# KiCad board soldiercrab_panel.kicad_pcb (continued)
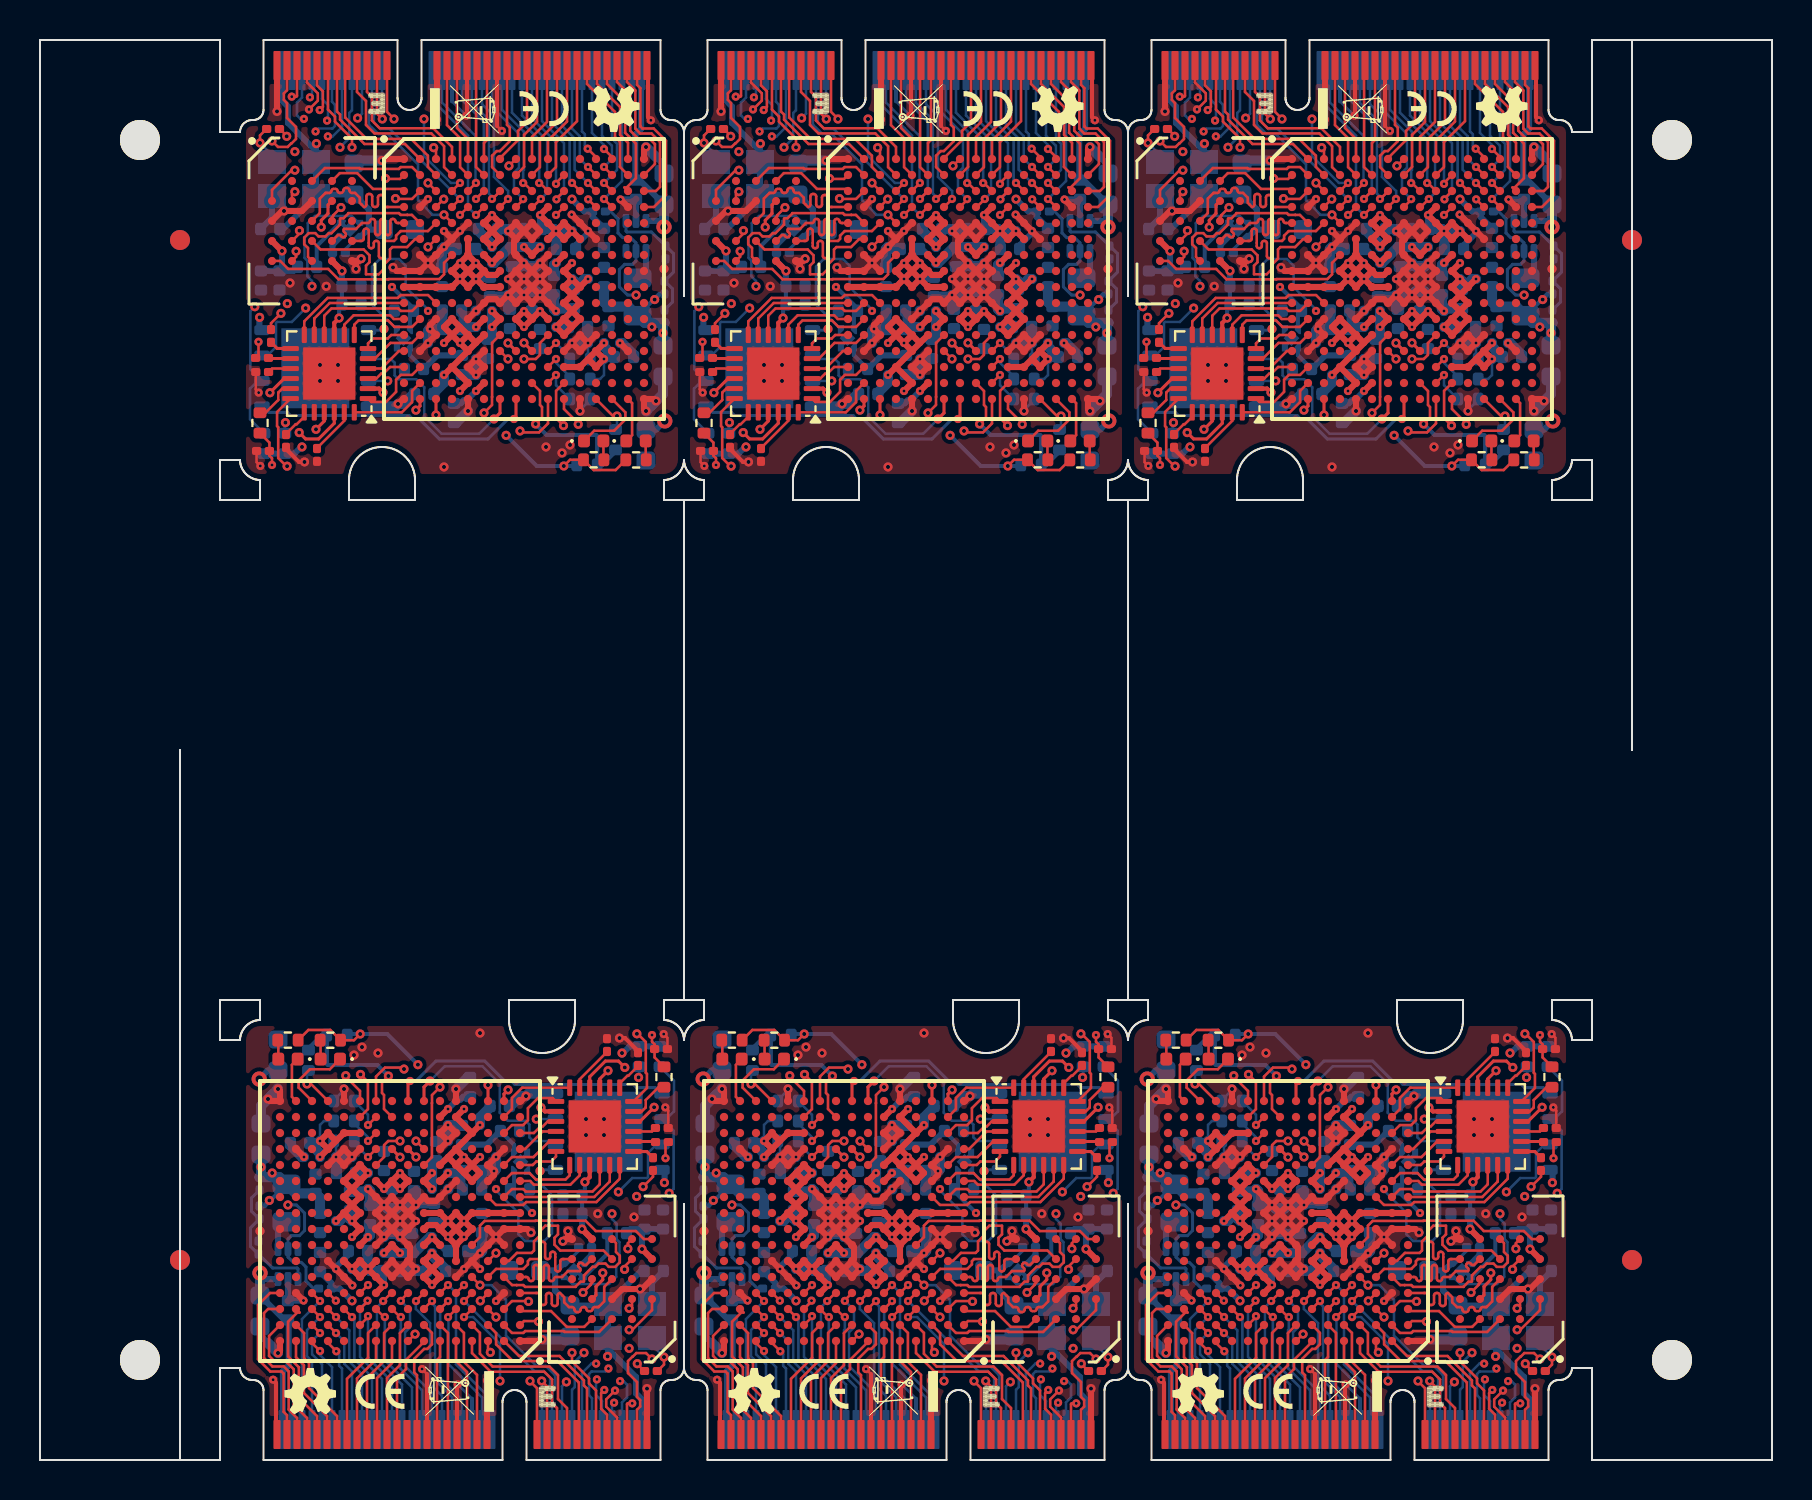
[diagram p0: board, top side]
## Placement (name value [footprint] x y rotation side) (continued)
R10#4  27R  [R_0201_0603Metric]  33.75 56.2 270 top
R10#5  27R  [R_0201_0603Metric]  30.65 14.8 90 top
R10#6  27R  [R_0201_0603Metric]  75.05 14.8 90 top
R11  330R  [R_0402_1005Metric]  34.6 20.99 0 top
R11#2  330R  [R_0402_1005Metric]  52 50.01 180 top
R11#3  330R  [R_0402_1005Metric]  56.8 20.99 0 top
R11#4  330R  [R_0402_1005Metric]  74.2 50.01 180 top
R11#5  330R  [R_0402_1005Metric]  29.8 50.01 180 top
R11#6  330R  [R_0402_1005Metric]  12.4 20.99 0 top
R12  330  [R_0402_1005Metric]  37.4 15.95 180 bottom
R12#2  330  [R_0402_1005Metric]  15.2 15.95 180 bottom
R12#3  330  [R_0402_1005Metric]  27 55.05 0 bottom
R12#4  330  [R_0402_1005Metric]  59.6 15.95 180 bottom
R12#5  330  [R_0402_1005Metric]  49.2 55.05 0 bottom
R12#6  330  [R_0402_1005Metric]  71.4 55.05 0 bottom
R13  5.1k  [R_0402_1005Metric]  71.4 54.05 0 bottom
R13#2  5.1k  [R_0402_1005Metric]  15.2 16.95 180 bottom
R13#3  5.1k  [R_0402_1005Metric]  27 54.05 0 bottom
R13#4  5.1k  [R_0402_1005Metric]  37.4 16.95 180 bottom
R13#5  5.1k  [R_0402_1005Metric]  59.6 16.95 180 bottom
R13#6  5.1k  [R_0402_1005Metric]  49.2 54.05 0 bottom
R14  330  [R_0402_1005Metric]  59.6 17.95 180 bottom
R14#2  330  [R_0402_1005Metric]  71.4 53.05 0 bottom
R14#3  330  [R_0402_1005Metric]  15.2 17.95 180 bottom
R14#4  330  [R_0402_1005Metric]  27 53.05 0 bottom
R14#5  330  [R_0402_1005Metric]  37.4 17.95 180 bottom
R14#6  330  [R_0402_1005Metric]  49.2 53.05 0 bottom
R15  330R  [R_0402_1005Metric]  27.68 50.01 180 top
R15#2  330R  [R_0402_1005Metric]  49.88 50.01 180 top
R15#3  330R  [R_0402_1005Metric]  36.72 20.99 0 top
R15#4  330R  [R_0402_1005Metric]  72.08 50.01 180 top
R15#5  330R  [R_0402_1005Metric]  58.92 20.99 0 top
R15#6  330R  [R_0402_1005Metric]  14.52 20.99 0 top
R16  0R  [R_0201_0603Metric]  59.35 60.35 0 bottom  (not fitted)
R16#2  0R  [R_0201_0603Metric]  27.26 10.65 180 bottom  (not fitted)
R16#3  0R  [R_0201_0603Metric]  49.46 10.65 180 bottom  (not fitted)
R16#4  0R  [R_0201_0603Metric]  37.15 60.35 0 bottom  (not fitted)
R16#5  0R  [R_0201_0603Metric]  14.95 60.35 0 bottom  (not fitted)
R16#6  0R  [R_0201_0603Metric]  71.66 10.65 180 bottom  (not fitted)
R108  330  [R_0201_0603Metric]  52.75 4.45 0 top
R108#2  330  [R_0201_0603Metric]  33.85 66.55 180 top
R108#3  330  [R_0201_0603Metric]  30.55 4.45 0 top
R108#4  330  [R_0201_0603Metric]  56.05 66.55 180 top
R108#5  330  [R_0201_0603Metric]  11.65 66.55 180 top
R108#6  330  [R_0201_0603Metric]  74.95 4.45 0 top
R109  5.1k  [R_0402_1005Metric]  55.6 50.83 90 bottom
R109#2  5.1k  [R_0402_1005Metric]  31 20.17 270 bottom
R109#3  5.1k  [R_0402_1005Metric]  53.2 20.17 270 bottom
R109#4  5.1k  [R_0402_1005Metric]  75.4 20.17 270 bottom
R109#5  5.1k  [R_0402_1005Metric]  11.2 50.83 90 bottom
R109#6  5.1k  [R_0402_1005Metric]  33.4 50.83 90 bottom
R110  10k  [R_0402_1005Metric]  52.16 20.17 270 bottom
R110#2  10k  [R_0402_1005Metric]  34.44 50.83 90 bottom
R110#3  10k  [R_0402_1005Metric]  29.96 20.17 270 bottom
R110#4  10k  [R_0402_1005Metric]  74.36 20.17 270 bottom
R110#5  10k  [R_0402_1005Metric]  56.64 50.83 90 bottom
R110#6  10k  [R_0402_1005Metric]  12.24 50.83 90 bottom
REF**  -  [WEEE-Logo_4.2x6mm_SilkScreen]  16.8 5.75 270 bottom
REF**#2  -  [WEEE-Logo_4.2x6mm_SilkScreen]  39 5.75 270 bottom
REF**#3  -  [WEEE-Logo_4.2x6mm_SilkScreen]  69.8 65.25 90 bottom
REF**#4  -  [WEEE-Logo_4.2x6mm_SilkScreen]  47.6 65.25 90 bottom
REF**#5  -  [WEEE-Logo_4.2x6mm_SilkScreen]  61.2 5.75 270 bottom
REF**#6  -  [WEEE-Logo_4.2x6mm_SilkScreen]  25.4 65.25 90 bottom
U1  TLV62569ADRLR  [SOT-563]  56.8 9.8 90 bottom
U1#2  TLV62569ADRLR  [SOT-563]  34.6 9.8 90 bottom
U1#3  TLV62569ADRLR  [SOT-563]  29.8 61.2 270 bottom
U1#4  TLV62569ADRLR  [SOT-563]  74.2 61.2 270 bottom
U1#5  TLV62569ADRLR  [SOT-563]  12.4 9.8 90 bottom
U1#6  TLV62569ADRLR  [SOT-563]  52 61.2 270 bottom
U2  NCP115-2.5  [Texas_X2SON-4_1x1mm_P0.65mm]  18.17 56.09 90 bottom
U2#2  NCP115-2.5  [Texas_X2SON-4_1x1mm_P0.65mm]  24.03 14.91 270 bottom
U2#3  NCP115-2.5  [Texas_X2SON-4_1x1mm_P0.65mm]  40.37 56.09 90 bottom
U2#4  NCP115-2.5  [Texas_X2SON-4_1x1mm_P0.65mm]  68.43 14.91 270 bottom
U2#5  NCP115-2.5  [Texas_X2SON-4_1x1mm_P0.65mm]  62.57 56.09 90 bottom
U2#6  NCP115-2.5  [Texas_X2SON-4_1x1mm_P0.65mm]  46.23 14.91 270 bottom
U3  USB3343  [QFN-24-1EP_4x4mm_P0.5mm_EP2.6x2.6mm]  36.66 54.32 180 top
U3#2  USB3343  [QFN-24-1EP_4x4mm_P0.5mm_EP2.6x2.6mm]  58.86 54.32 180 top
U3#3  USB3343  [QFN-24-1EP_4x4mm_P0.5mm_EP2.6x2.6mm]  49.94 16.68 0 top
U3#4  USB3343  [QFN-24-1EP_4x4mm_P0.5mm_EP2.6x2.6mm]  27.74 16.68 0 top
U3#5  USB3343  [QFN-24-1EP_4x4mm_P0.5mm_EP2.6x2.6mm]  14.46 54.32 180 top
U3#6  USB3343  [QFN-24-1EP_4x4mm_P0.5mm_EP2.6x2.6mm]  72.14 16.68 0 top
U4  NCP115-1.8  [Texas_X2SON-4_1x1mm_P0.65mm]  59.9 61.53 0 bottom
U4#2  NCP115-1.8  [Texas_X2SON-4_1x1mm_P0.65mm]  48.9 9.47 180 bottom
U4#3  NCP115-1.8  [Texas_X2SON-4_1x1mm_P0.65mm]  15.5 61.53 0 bottom
U4#4  NCP115-1.8  [Texas_X2SON-4_1x1mm_P0.65mm]  26.7 9.47 180 bottom
U4#5  NCP115-1.8  [Texas_X2SON-4_1x1mm_P0.65mm]  71.1 9.47 180 bottom
U4#6  NCP115-1.8  [Texas_X2SON-4_1x1mm_P0.65mm]  37.7 61.53 0 bottom
U7  W25Q128JVP  [WSON-8-1EP_6x5mm_P1.27mm_EP3.4x4mm]  13.76 54.59 180 bottom
U7#2  W25Q128JVP  [WSON-8-1EP_6x5mm_P1.27mm_EP3.4x4mm]  72.84 16.41 0 bottom
U7#3  W25Q128JVP  [WSON-8-1EP_6x5mm_P1.27mm_EP3.4x4mm]  35.96 54.59 180 bottom
U7#4  W25Q128JVP  [WSON-8-1EP_6x5mm_P1.27mm_EP3.4x4mm]  28.44 16.41 0 bottom
U7#5  W25Q128JVP  [WSON-8-1EP_6x5mm_P1.27mm_EP3.4x4mm]  58.16 54.59 180 bottom
U7#6  W25Q128JVP  [WSON-8-1EP_6x5mm_P1.27mm_EP3.4x4mm]  50.64 16.41 0 bottom
U10  PSRAM (oSPI /HyperRAM)  [BGA-24_5x5_6.0x8.0mm]  50.8 9.05 180 top
U10#2  PSRAM (oSPI /HyperRAM)  [BGA-24_5x5_6.0x8.0mm]  73 9.05 180 top
U10#3  PSRAM (oSPI /HyperRAM)  [BGA-24_5x5_6.0x8.0mm]  28.6 9.05 180 top
U10#4  PSRAM (oSPI /HyperRAM)  [BGA-24_5x5_6.0x8.0mm]  58 61.95 0 top
U10#5  PSRAM (oSPI /HyperRAM)  [BGA-24_5x5_6.0x8.0mm]  35.8 61.95 0 top
U10#6  PSRAM (oSPI /HyperRAM)  [BGA-24_5x5_6.0x8.0mm]  13.6 61.95 0 top
Y1  Osc48MHz  [Crystal_SMD_3225-4Pin_3.2x2.5mm]  34.9 64.05 180 bottom
Y1#2  Osc48MHz  [Crystal_SMD_3225-4Pin_3.2x2.5mm]  12.7 64.05 180 bottom
Y1#3  Osc48MHz  [Crystal_SMD_3225-4Pin_3.2x2.5mm]  51.7 6.95 0 bottom
Y1#4  Osc48MHz  [Crystal_SMD_3225-4Pin_3.2x2.5mm]  29.5 6.95 0 bottom
Y1#5  Osc48MHz  [Crystal_SMD_3225-4Pin_3.2x2.5mm]  73.9 6.95 0 bottom
Y1#6  Osc48MHz  [Crystal_SMD_3225-4Pin_3.2x2.5mm]  57.1 64.05 180 bottom

## Library data of the parts
C1 C1#2-C1#6 C2 C2#2-C2#6 C3 C3#2-C3#6 C4 C4#2-C4#6 C23 C23#2-C23#6 = -: Description: CAP CER 2.2UF 10V X5R 0603; Manufacturer: Samsung; Part Number: CL10A225KP8NNNC; Substitution: any equivalent; lcsc#: C23630
C5 C5#2-C5#6 C8 C8#2-C8#6 C13 C13#2-C13#6 C16 C16#2-C16#6 C17 C17#2-C17#6 C18 C18#2-C18#6 C19 C19#2-C19#6 C21 C21#2-C21#6 C22 C22#2-C22#6 C79 C79#2-C79#6 C80 C80#2-C80#6 C81 C81#2-C81#6 C82 C82#2-C82#6 C83 C83#2-C83#6 = -: Description: CAP CER 1UF 6.3V X5R 0402 20%; Manufacturer: Samsung; Part Number: CL05A105MQ5NNNC; Substitution: CL05A105KQ5NNNC, CL05A105KP5NNNC, CL05A105KO5NNNC; lcsc#: C52923
C6 C6#2-C6#6 C28 C28#2-C28#6 C29 C29#2-C29#6 = -: Mfg: Murata Electronics North America; Mfg_1: YAGEO; PN: GRM155R60J106ME15D; PN_1: CC0402MRX5R5BB106; lcsc#: C105884
C7 C7#2-C7#6 C9 C9#2-C9#6 C10 C10#2-C10#6 C11 C11#2-C11#6 C12 C12#2-C12#6 C14 C14#2-C14#6 C15 C15#2-C15#6 C24 C24#2-C24#6 C26 C26#2-C26#6 C31 C31#2-C31#6 C32 C32#2-C32#6 C33 C33#2-C33#6 C35 C35#2-C35#6 C65 C65#2-C65#6 = -: Description: CAP CER 0.1UF 25V X5R 0402; Manufacturer: Samsung; Part Number: CL05A104KA5NNNC; Substitution: any equivalent; lcsc#: C1525
C20 C20#2-C20#6 C27 C27#2-C27#6 = -: Info: 10V, X5R; Mfg: Murata Electronics North America; Mfg_1: YAGEO; PN: GRM155R61A475MEAAD; PN_1: CC0402KRX5R6BB475; lcsc#: C23733
C25 C25#2-C25#6 = -: Mfg: Samsung Electro-Mechanics; Mfg_1: YAGEO; PN: CL03C100JA3GNNC; PN_1: CC0201DRNPO8BN100; lcsc#: C526922
C34 C34#2-C34#6 C36 C36#2-C36#6 C37 C37#2-C37#6 = -: lcsc#: C87143
D1 D1#2-D1#6 D2 D2#2-D2#6 = -: Description: Light emitting diode, small symbol, filled shape; lcsc#: C965794
IC1 IC1#2-IC1#6 = -: Description: FPGA - Field Programmable Gate Array ECP5; 12k LUTs; 1.1V; Manufacturer: Lattice; Part Number: LFE5U-12F-6BG256C; Substitution: LFE5U-12F-*BG256*, LFE5U-25F-*BG256*; lcsc#: C1521614
L1 L1#2-L1#6 = -: Mfg: Murata Electronics; Mfg_1: Sunltech Tech; PN: LQM21PN2R2NGCD; PN_1: SLM20122R2MIT; lcsc#: C216156
R1 R1#2-R1#6 = -: Mfg: ‎Yageo‎; Mfg_1: UNI-ROYAL(Uniroyal Elec); PN: RC0201FR-0710KL; PN_1: 0201WMF1002TCE; lcsc#: C106225
R2 R2#2-R2#6 = -: Mfg: ‎Yageo‎; Mfg_1: UNI-ROYAL(Uniroyal Elec); PN: RC0201FR-07100KL; PN_1: 0201WMF1003TCE; lcsc#: C106224
R3 R3#2-R3#6 = -: Mfg: ‎Yageo‎; Mfg_1: UNI-ROYAL(Uniroyal Elec); PN: RC0201FR-07120KL; PN_1: 0201WMF1203TCE; lcsc#: C274344
R5 R5#2-R5#6 = -: Description: RES 2.2K OHM 5% 1/16W 0402; Manufacturer: Yageo; Part Number: RC0402JR-072K2L; Substitution: any equivalent; lcsc#: C25879
R6 R6#2-R6#6 R13 R13#2-R13#6 R109 R109#2-R109#6 = -: Description: RES 5.1K OHM 5% 1/16W 0402; Manufacturer: Yageo; Part Number: RC0402JR-075K1L; Substitution: any equivalent; lcsc#: C25905
R7 R7#2-R7#6 = -: Mfg: Yageo; lcsc#: C516470
R8 R8#2-R8#6 = -: Mfg: Yageo; lcsc#: C93942
R9 R9#2-R9#6 R10 R10#2-R10#6 = -: Mfg: Yageo; lcsc#: C270320
R11 R11#2-R11#6 R15 R15#2-R15#6 = -: lcsc#: C25104
R12 R12#2-R12#6 R14 R14#2-R14#6 = -: Description: RES 330 OHM 1% 1/16W 0402; Manufacturer: Yageo; Part Number: RC0402FR-13330RL; Substitution: any equivalent; lcsc#: C25104
R16 R16#2-R16#6 = -: Mfg: ‎Yageo‎; PN: RC0201FR-0710KL; Mfg_1: UNI-ROYAL(Uniroyal Elec); PN_1: 0201WMF1002TCE; lcsc#: C473473
R108 R108#2-R108#6 = -: Description: RES 330 OHM 1% 1/16W 0201; Substitution: any equivalent; lcsc#: C274872
R110 R110#2-R110#6 = -: Description: RES 10K OHM 5% 1/16W 0402; Manufacturer: Yageo; Part Number: RC0402JR-0710KL; Substitution: any equivalent; lcsc#: C25744
U1 U1#2-U1#6 = -: Datasheet: http://www.ti.com/lit/ds/symlink/tlv62569.pdf; Mfg: Texas Instruments; PN: TLV62569DRLR; lcsc#: C398367
U2 U2#2-U2#6 = -: Mfg: ON Semiconductor; PN: NCP115AMX250TCG; lcsc#: C892044; LCSC: C892044
U3 U3#2-U3#6 = -: Datasheet: http://ww1.microchip.com/downloads/en/DeviceDoc/334x.pdf; Mfg: Microchip Technology; PN: USB3343-CP; lcsc#: C633347
U4 U4#2-U4#6 = -: PN: NCP115AMX180TCG; lcsc#: C603501
U7 U7#2-U7#6 = -: Manufacturer: Winbond; Part Number: W25Q128JVPIQ; lcsc#: C190862
U10 U10#2-U10#6 = -: lcsc#: C5448342
Y1 Y1#2-Y1#6 = -: Description: MEMS OSC XO 60.0000MHZ H/LV-CMOS; Manufacturer: SiTIME; Part Number: SIT1602BC-23-33E-60.000000E; Substitution: SIT1602B*-2*-33E-60.000000*, SIT1602B*-2*-33N-60.000000*; lcsc#: C669070

## Footprints (pads in the part's own frame, mm; a bottom-side part is the same pattern mirrored in y, then rotated)
BGA-24_5x5_6.0x8.0mm
  round 0.4 smd: A2(-1,2) A3(0,2) A4(1,2) A5(2,2) B1(-2,1) B2(-1,1) B3(0,1) B4(1,1) B5(2,1) C1(-2,0) C2(-1,0) C3(0,0) C4(1,0) C5(2,0) D1(-2,-1) D2(-1,-1) D3(0,-1) D4(1,-1) D5(2,-1) E1(-2,-2) E2(-1,-2) E3(0,-2) E4(1,-2) E5(2,-2)
C_0201_0603Metric
  rrect 0.318x0.36 smd: (-0.345,0) (0.345,0)
  rrect 0.46x0.4 smd: 1(-0.32,0) 2(0.32,0)
C_0402_1005Metric
  rrect 0.56x0.62 smd: 1(-0.48,0) 2(0.48,0)
C_0603_1608Metric
  rrect 0.9x0.95 smd: 1(-0.775,0) 2(0.775,0)
Crystal_SMD_3225-4Pin_3.2x2.5mm
  rect 1.4x1.2 smd: 1(-1.1,-0.85) 2(1.1,-0.85) 3(1.1,0.85) 4(-1.1,0.85)
Fiducial
  round 1 smd: (0,0)
L_0805_2012Metric
  rrect 0.975x1.4 smd: 1(-0.938,0) 2(0.938,0)
lattice_cabga256
  round 0.41 smd: A1(-6,6) A2(-5.2,6) A3(-4.4,6) A4(-3.6,6) A5(-2.8,6) A6(-2,6) A7(-1.2,6) A8(-0.4,6) A9(0.4,6) A10(1.2,6) A11(2,6) A12(2.8,6) A13(3.6,6) A14(4.4,6) A15(5.2,6) A16(6,6) B1(-6,5.2) B2(-5.2,5.2) B3(-4.4,5.2) B4(-3.6,5.2) B5(-2.8,5.2) B6(-2,5.2) B7(-1.2,5.2) B8(-0.4,5.2) B9(0.4,5.2) B10(1.2,5.2) B11(2,5.2) B12(2.8,5.2) B13(3.6,5.2) B14(4.4,5.2) B15(5.2,5.2) B16(6,5.2) C1(-6,4.4) C2(-5.2,4.4) C3(-4.4,4.4) C4(-3.6,4.4) C5(-2.8,4.4) C6(-2,4.4) C7(-1.2,4.4) C8(-0.4,4.4) C9(0.4,4.4) C10(1.2,4.4) C11(2,4.4) C12(2.8,4.4) C13(3.6,4.4) C14(4.4,4.4) C15(5.2,4.4) C16(6,4.4) D1(-6,3.6) D2(-5.2,3.6) D3(-4.4,3.6) D4(-3.6,3.6) D5(-2.8,3.6) D6(-2,3.6) D7(-1.2,3.6) D8(-0.4,3.6) D9(0.4,3.6) D10(1.2,3.6) D11(2,3.6) D12(2.8,3.6) D13(3.6,3.6) D14(4.4,3.6) D15(5.2,3.6) D16(6,3.6) E1(-6,2.8) E2(-5.2,2.8) E3(-4.4,2.8) E4(-3.6,2.8) E5(-2.8,2.8) E6(-2,2.8) E7(-1.2,2.8) E8(-0.4,2.8) E9(0.4,2.8) E10(1.2,2.8) E11(2,2.8) E12(2.8,2.8) E13(3.6,2.8) E14(4.4,2.8) E15(5.2,2.8) E16(6,2.8) F1(-6,2) F2(-5.2,2) F3(-4.4,2) F4(-3.6,2) F5(-2.8,2) F6(-2,2) F7(-1.2,2) F8(-0.4,2) F9(0.4,2) F10(1.2,2) F11(2,2) F12(2.8,2) F13(3.6,2) F14(4.4,2) F15(5.2,2) F16(6,2) G1(-6,1.2) G2(-5.2,1.2) G3(-4.4,1.2) G4(-3.6,1.2) G5(-2.8,1.2) G6(-2,1.2) G7(-1.2,1.2) G8(-0.4,1.2) G9(0.4,1.2) G10(1.2,1.2) G11(2,1.2) G12(2.8,1.2) G13(3.6,1.2) G14(4.4,1.2) G15(5.2,1.2) G16(6,1.2) H1(-6,0.4) H2(-5.2,0.4) H3(-4.4,0.4) H4(-3.6,0.4) H5(-2.8,0.4) H6(-2,0.4) H7(-1.2,0.4) H8(-0.4,0.4) H9(0.4,0.4) H10(1.2,0.4) H11(2,0.4) H12(2.8,0.4) H13(3.6,0.4) H14(4.4,0.4) H15(5.2,0.4) H16(6,0.4) J1(-6,-0.4) J2(-5.2,-0.4) J3(-4.4,-0.4) J4(-3.6,-0.4) J5(-2.8,-0.4) J6(-2,-0.4) J7(-1.2,-0.4) J8(-0.4,-0.4) J9(0.4,-0.4) J10(1.2,-0.4) J11(2,-0.4) J12(2.8,-0.4) J13(3.6,-0.4) J14(4.4,-0.4) J15(5.2,-0.4) J16(6,-0.4) K1(-6,-1.2) K2(-5.2,-1.2) K3(-4.4,-1.2) K4(-3.6,-1.2) K5(-2.8,-1.2) K6(-2,-1.2) K7(-1.2,-1.2) K8(-0.4,-1.2) K9(0.4,-1.2) K10(1.2,-1.2) K11(2,-1.2) K12(2.8,-1.2) K13(3.6,-1.2) K14(4.4,-1.2) K15(5.2,-1.2) K16(6,-1.2) L1(-6,-2) L2(-5.2,-2) L3(-4.4,-2) L4(-3.6,-2) L5(-2.8,-2) L6(-2,-2) L7(-1.2,-2) L8(-0.4,-2) L9(0.4,-2) L10(1.2,-2) L11(2,-2) L12(2.8,-2) L13(3.6,-2) L14(4.4,-2) L15(5.2,-2) L16(6,-2) M1(-6,-2.8) M2(-5.2,-2.8) M3(-4.4,-2.8) M4(-3.6,-2.8) M5(-2.8,-2.8) M6(-2,-2.8) M7(-1.2,-2.8) M8(-0.4,-2.8) M9(0.4,-2.8) M10(1.2,-2.8) M11(2,-2.8) M12(2.8,-2.8) M13(3.6,-2.8) M14(4.4,-2.8) M15(5.2,-2.8) M16(6,-2.8) N1(-6,-3.6) N2(-5.2,-3.6) N3(-4.4,-3.6) N4(-3.6,-3.6) N5(-2.8,-3.6) N6(-2,-3.6) N7(-1.2,-3.6) N8(-0.4,-3.6) N9(0.4,-3.6) N10(1.2,-3.6) N11(2,-3.6) N12(2.8,-3.6) N13(3.6,-3.6) N14(4.4,-3.6) N15(5.2,-3.6) N16(6,-3.6) P1(-6,-4.4) P2(-5.2,-4.4) P3(-4.4,-4.4) P4(-3.6,-4.4) P5(-2.8,-4.4) P6(-2,-4.4) P7(-1.2,-4.4) P8(-0.4,-4.4) P9(0.4,-4.4) P10(1.2,-4.4) P11(2,-4.4) P12(2.8,-4.4) P13(3.6,-4.4) P14(4.4,-4.4) P15(5.2,-4.4) P16(6,-4.4) R1(-6,-5.2) R2(-5.2,-5.2) R3(-4.4,-5.2) R4(-3.6,-5.2) R5(-2.8,-5.2) R6(-2,-5.2) R7(-1.2,-5.2) R8(-0.4,-5.2) R9(0.4,-5.2) R10(1.2,-5.2) R11(2,-5.2) R12(2.8,-5.2) R13(3.6,-5.2) R14(4.4,-5.2) R15(5.2,-5.2) R16(6,-5.2) T1(-6,-6) T2(-5.2,-6) T3(-4.4,-6) T4(-3.6,-6) T5(-2.8,-6) T6(-2,-6) T7(-1.2,-6) T8(-0.4,-6) T9(0.4,-6) T10(1.2,-6) T11(2,-6) T12(2.8,-6) T13(3.6,-6) T14(4.4,-6) T15(5.2,-6) T16(6,-6)
LED_0402_1005Metric
  rrect 0.59x0.64 smd: 1(-0.485,0) 2(0.485,0)
M.2-CARD-E-22
  rrect 0.35x1.45 smd: 1(9.25,1.275) 3(8.75,1.275) 5(8.25,1.275) 7(7.75,1.275) 9(7.25,1.275) 11(6.75,1.275) 13(6.25,1.275) 15(5.75,1.275) 17(5.25,1.275) 19(4.75,1.275) 21(4.25,1.275) 23(3.75,1.275) 33(1.25,1.275) 35(0.75,1.275) 37(0.25,1.275) 39(-0.25,1.275) 41(-0.75,1.275) 43(-1.25,1.275) 45(-1.75,1.275) 47(-2.25,1.275) 49(-2.75,1.275) 51(-3.25,1.275) 53(-3.75,1.275) 55(-4.25,1.275) 57(-4.75,1.275) 59(-5.25,1.275) 61(-5.75,1.275) 63(-6.25,1.275) 65(-6.75,1.275) 67(-7.25,1.275) 69(-7.75,1.275) 71(-8.25,1.275) 73(-8.75,1.275) 75(-9.25,1.275)
  rrect 0.35x1.95 smd far side: 2(9,1.525) 4(8.5,1.525) 6(8,1.525) 8(7.5,1.525) 10(7,1.525) 12(6.5,1.525) 14(6,1.525) 16(5.5,1.525) 18(5,1.525) 20(4.5,1.525) 22(4,1.525) 32(1.5,1.525) 34(1,1.525) 36(0.5,1.525) 38(0,1.525) 40(-0.5,1.525) 42(-1,1.525) 44(-1.5,1.525) 46(-2,1.525) 48(-2.5,1.525) 50(-3,1.525) 52(-3.5,1.525) 54(-4,1.525) 56(-4.5,1.525) 58(-5,1.525) 60(-5.5,1.525) 62(-6,1.525) 64(-6.5,1.525) 66(-7,1.525) 68(-7.5,1.525) 70(-8,1.525) 72(-8.5,1.525) 74(-9,1.525)
NPTH
  round 2 hole 2 unplated: (0,0)
QFN-24-1EP_4x4mm_P0.5mm_EP2.6x2.6mm
  rrect 1.05x1.05 smd: (-0.65,0.65) (-0.65,-0.65) (0.65,0.65) (0.65,-0.65)
  rrect 0.825x0.25 smd: 1(-1.938,1.25) 2(-1.938,0.75) 3(-1.938,0.25) 4(-1.938,-0.25) 5(-1.938,-0.75) 6(-1.938,-1.25) 13(1.938,-1.25) 14(1.938,-0.75) 15(1.938,-0.25) 16(1.938,0.25) 17(1.938,0.75) 18(1.938,1.25)
  rrect 0.25x0.825 smd: 7(-1.25,-1.938) 8(-0.75,-1.938) 9(-0.25,-1.938) 10(0.25,-1.938) 11(0.75,-1.938) 12(1.25,-1.938) 19(1.25,1.938) 20(0.75,1.938) 21(0.25,1.938) 22(-0.25,1.938) 23(-0.75,1.938) 24(-1.25,1.938)
  rect 2.6x2.6 smd: 25(0,0)
R_0201_0603Metric
  rrect 0.318x0.36 smd: (-0.345,0) (0.345,0)
  rrect 0.46x0.4 smd: 1(-0.32,0) 2(0.32,0)
R_0402_1005Metric
  rrect 0.54x0.64 smd: 1(-0.51,0) 2(0.51,0)
SOT-563
  rrect 0.7x0.34 smd: 1(-0.75,0.5) 2(-0.75,0) 3(-0.75,-0.5) 4(0.75,-0.5) 5(0.75,0) 6(0.75,0.5)
Texas_X2SON-4_1x1mm_P0.65mm
  custom 0.36x0.21 smd: (-0.43,-0.325) (-0.43,0.325) (0.43,-0.325) (0.43,0.325)
  custom 0.4x0.21 smd: (-0.43,-0.325) (-0.43,0.325) (0.43,-0.325) (0.43,0.325)
  custom 0.46x0.31 smd: 1(-0.43,0.325) 2(-0.43,-0.325) 3(0.43,-0.325) 4(0.43,0.325)
  rect 0.56x0.56 smd rot 135: 2(0,0)
WSON-8-1EP_6x5mm_P1.27mm_EP3.4x4mm
  rrect 1.37x1.61 smd: (-0.85,-1) (-0.85,1) (0.85,-1) (0.85,1)
  rrect 0.775x0.5 smd: 1(-2.663,1.905) 2(-2.663,0.635) 3(-2.663,-0.635) 4(-2.663,-1.905) 5(2.663,-1.905) 6(2.663,-0.635) 7(2.663,0.635) 8(2.663,1.905)
  rect 3.4x4 smd: 9(0,0)

## Nets
Board_0-+1V1: C1#4.1 C3#3.1 C7#3.1 C9#4.1 C11#6.1 C13#3.1 C15#2.1 C17#4.1 C25#4.2 C28#4.2 C29#2.2 IC1#4.G6 IC1#4.G7 IC1#4.G9 IC1#4.L8 IC1#4.L9 IC1#4.L10 L1.2 R2#3.2
Board_0-+2V5: C22#3.1 C24#2.1 C26#5.1 C27#3.1 IC1#4.G11 IC1#4.L7 U2.1
Board_0-+3V3: C2#6.1 C4#4.1 C6#2.2 C8#6.1 C10#3.1 C12#6.1 C14#4.1 C16#4.1 C18#2.1 C20#4.1 C23#2.1 C33#3.1 C35#6.1 C79#3.1 C80#3.1 C81#4.1 IC1#4.D10 IC1#4.E6 IC1#4.E7 IC1#4.E10 IC1#4.E11 IC1#4.F6 IC1#4.F7 IC1#4.F10 IC1#4.F11 IC1#4.F12 IC1#4.H11 IC1#4.J11 IC1#4.J12 IC1#4.K11 IC1#4.K12 IC1#4.L6 IC1#4.L11 IC1#4.L12 IC1#4.M11 IC1#4.N13 IC1#4.P11 IC1#4.P12 IC1#4.P13 IC1#4.R6 J1#3.2 J1#3.74 R1#5.2 R6#4.1 R11#5.2 R13#3.2 R15.2 R16#5.2 R109#5.1 R110#6.1 U1#3.3 U2.4 U3#5.16 U4#3.4 U7.8 Y1#2.1 Y1#2.4
Board_0-/bank0_1/CLOCK_48MHZ: IC1#4.A8 R108#5.1
Board_0-/bank2_3/~{FPGA_SELF_PROGRAM}: IC1#4.T13 R5#6.2
Board_0-/bank6_7/RAM.CK: IC1#4.C3 U10#6.B2
Board_0-/bank6_7/RAM.DQ0: IC1#4.F2 U10#6.D3
Board_0-/bank6_7/RAM.DQ1: IC1#4.B1 U10#6.D2
Board_0-/bank6_7/RAM.DQ2: IC1#4.C2 U10#6.C4
Board_0-/bank6_7/RAM.DQ3: IC1#4.E1 U10#6.D4
Board_0-/bank6_7/RAM.DQ4: IC1#4.E3 U10#6.D5
Board_0-/bank6_7/RAM.DQ5: IC1#4.E2 U10#6.E3
Board_0-/bank6_7/RAM.DQ6: IC1#4.F3 U10#6.E2
Board_0-/bank6_7/RAM.DQ7: IC1#4.G4 U10#6.E1
Board_0-/bank6_7/RAM.RWDS: IC1#4.D1 U10#6.C3
Board_0-/bank6_7/RAM.~{CK}: IC1#4.D3 U10#6.B1
Board_0-/bank6_7/RAM.~{CS}: IC1#4.B2 U10#6.A3
Board_0-/bank6_7/RAM.~{RESET}: IC1#4.C1 U10#6.A4
Board_0-/bank6_7/USB0.DATA0: IC1#4.N1 U3#5.4
Board_0-/bank6_7/USB0.DATA1: IC1#4.M2 U3#5.5
Board_0-/bank6_7/USB0.DATA2: IC1#4.M1 U3#5.6
Board_0-/bank6_7/USB0.DATA3: IC1#4.L2 U3#5.7
Board_0-/bank6_7/USB0.DATA4: IC1#4.L1 U3#5.8
Board_0-/bank6_7/USB0.DATA5: IC1#4.K2 U3#5.10
Board_0-/bank6_7/USB0.DATA6: IC1#4.K1 U3#5.11
Board_0-/bank6_7/USB0.DATA7: IC1#4.K3 U3#5.12
Board_0-/bank6_7/USB0.DIR: IC1#4.P2 U3#5.1
Board_0-/bank6_7/USB0.NXT: IC1#4.P1 U3#5.3
Board_0-/bank6_7/USB0.REFCLK: IC1#4.T3 U3#5.21
Board_0-/bank6_7/USB0.STP: IC1#4.R2 U3#5.24
Board_0-/bank6_7/USB0.~{RESET}: IC1#4.T2 U3#5.22
Board_0-/bank8_configuration/D0: IC1#4.T8 U7.5
Board_0-/bank8_configuration/D1: IC1#4.T7 U7.2
Board_0-/bank8_configuration/D2: IC1#4.M7 U7.3
Board_0-/bank8_configuration/D3: IC1#4.N7 U7.7
Board_0-/bank8_configuration/FPGA_CFG0: IC1#4.N10 R12#3.1
Board_0-/bank8_configuration/FPGA_CFG1: IC1#4.P10 R13#3.1
Board_0-/bank8_configuration/FPGA_CFG2: IC1#4.R10 R14#4.1
Board_0-/bank8_configuration/FPGA_CONFIG.~{PROGRAM}: IC1#4.R9 R5#6.1 R6#4.2
Board_0-/bank8_configuration/FPGA_FLASH_CLK: IC1#4.N9 R109#5.2 U7.6
Board_0-/bank8_configuration/~{CS_DI}: IC1#4.N8 R110#6.2 U7.1
Board_0-/usb/ULPI_1V8: C34.1 U3#5.23
Board_0-/usb/ULPI_3V3: C36#4.1 U3#5.15
Board_0-ECP5_A2: IC1#4.A2 J1#3.13
Board_0-ECP5_A3: IC1#4.A3 J1#3.11
Board_0-ECP5_A4: IC1#4.A4 J1#3.19
Board_0-ECP5_A5: IC1#4.A5 J1#3.37
Board_0-ECP5_A6: IC1#4.A6 J1#3.43
Board_0-ECP5_A7: IC1#4.A7 J1#3.51
Board_0-ECP5_A9: IC1#4.A9 J1#3.55
Board_0-ECP5_A10: IC1#4.A10 J1#3.59
Board_0-ECP5_A11: IC1#4.A11
Board_0-ECP5_A12: IC1#4.A12
Board_0-ECP5_A13: IC1#4.A13 J1#3.62
Board_0-ECP5_A14: IC1#4.A14 J1#3.64
Board_0-ECP5_A15: IC1#4.A15 J1#3.65
Board_0-ECP5_B3: IC1#4.B3 J1#3.15
Board_0-ECP5_B4: IC1#4.B4 J1#3.17
Board_0-ECP5_B5: IC1#4.B5 J1#3.35
Board_0-ECP5_B6: IC1#4.B6 J1#3.41
Board_0-ECP5_B7: IC1#4.B7 J1#3.47
Board_0-ECP5_B8: IC1#4.B8 J1#3.53
Board_0-ECP5_B9: IC1#4.B9 J1#3.57
Board_0-ECP5_B10: IC1#4.B10 J1#3.61
Board_0-ECP5_B11: IC1#4.B11 J1#3.52
Board_0-ECP5_B12: IC1#4.B12
Board_0-ECP5_B13: IC1#4.B13 J1#3.60
Board_0-ECP5_B14: IC1#4.B14 J1#3.66
Board_0-ECP5_B15: IC1#4.B15 J1#3.63
Board_0-ECP5_B16: IC1#4.B16 J1#3.69
Board_0-ECP5_C4: IC1#4.C4 J1#3.6
Board_0-ECP5_C5: IC1#4.C5 J1#3.34
Board_0-ECP5_C6: IC1#4.C6 J1#3.38
Board_0-ECP5_C7: IC1#4.C7 J1#3.40
Board_0-ECP5_C8: IC1#4.C8
Board_0-ECP5_C9: IC1#4.C9 J1#3.46
Board_0-ECP5_C10: IC1#4.C10 J1#3.48
Board_0-ECP5_C11: IC1#4.C11 J1#3.54
Board_0-ECP5_C12: IC1#4.C12 J1#3.56
Board_0-ECP5_C13: IC1#4.C13 J1#3.58
Board_0-ECP5_C14: IC1#4.C14 J1#3.68
Board_0-ECP5_C15: IC1#4.C15 J1#3.67
Board_0-ECP5_C16: IC1#4.C16 J1#3.71
Board_0-ECP5_D4: IC1#4.D4 J1#3.22
Board_0-ECP5_D5: IC1#4.D5 J1#3.8
Board_0-ECP5_D6: IC1#4.D6 J1#3.32
Board_0-ECP5_D7: IC1#4.D7 J1#3.42
Board_0-ECP5_D8: IC1#4.D8 J1#3.44
Board_0-ECP5_D9: IC1#4.D9 J1#3.50
Board_0-ECP5_D11: IC1#4.D11 J1#3.12
Board_0-ECP5_D12: IC1#4.D12
Board_0-ECP5_D13: IC1#4.D13 J1#3.14
Board_0-ECP5_D14: IC1#4.D14 J1#3.70
Board_0-ECP5_D16: IC1#4.D16 J1#3.73
Board_0-ECP5_E4: IC1#4.E4 J1#3.20
Board_0-ECP5_E13: IC1#4.E13
Board_0-ECP5_M10_TDO: IC1#4.M10 J1#3.23
Board_0-ECP5_R11_TDI: IC1#4.R11 J1#3.18
Board_0-ECP5_T10_TCK: IC1#4.T10 J1#3.10
Board_0-ECP5_T11_TMS: IC1#4.T11 J1#3.21
Board_0-EN: R1#5.1 U1#3.5 U2.3 U4#3.3
Board_0-GND: C1#4.2 C2#6.2 C3#3.2 C4#4.2 C5.2 C6#2.1 C7#3.2 C8#6.2 C9#4.2 C10#3.2 C11#6.2 C12#6.2 C13#3.2 C14#4.2 C15#2.2 C16#4.2 C17#4.2 C18#2.2 C19#5.2 C20#4.2 C21#3.2 C22#3.2 C23#2.2 C24#2.2 C26#5.2 C27#3.2 C28#4.1 C29#2.1 C31#3.2 C32#6.2 C33#3.2 C34.2 C35#6.2 C36#4.2 C37#2.2 C65#6.2 C79#3.2 C80#3.2 C81#4.2 C82.2 C83#6.2 IC1#4.A1 IC1#4.A16 IC1#4.D2 IC1#4.D15 IC1#4.E5 IC1#4.E8 IC1#4.E9 IC1#4.E12 IC1#4.F4 IC1#4.F8 IC1#4.F9 IC1#4.F13 IC1#4.G2 IC1#4.G3 IC1#4.G8 IC1#4.G10 IC1#4.H1 IC1#4.H2 IC1#4.H3 IC1#4.H8 IC1#4.H9 IC1#4.H10 IC1#4.H16 IC1#4.J8 IC1#4.J9 IC1#4.J10 IC1#4.K6 IC1#4.K7 IC1#4.K8 IC1#4.K9 IC1#4.K10 IC1#4.L3 IC1#4.L5 IC1#4.M3 IC1#4.M12 IC1#4.M13 IC1#4.N2 IC1#4.N6 IC1#4.N11 IC1#4.N12 IC1#4.N15 IC1#4.P5 IC1#4.P6 IC1#4.T1 IC1#4.T5 IC1#4.T12 IC1#4.T16 J1#3.1 J1#3.7 J1#3.33 J1#3.36 J1#3.39 J1#3.45 J1#3.75 R3#6.2 R7#4.1 R12#3.2 R14#4.2 U1#3.2 U2.2 U3#5.25 U4#3.2 U7.4 U7.9 U10#6.B3 U10#6.C1 U10#6.E5 Y1#2.2
Board_0-Net-(D1-A): D1#2.2 R11#5.1
Board_0-Net-(D1-K): D1#2.1 IC1#4.T15
Board_0-Net-(D2-A): D2#2.2 R15.1
Board_0-Net-(D2-K): D2#2.1 IC1#4.T14
Board_0-Net-(U1-FB): C25#4.1 R2#3.1 R3#6.1 U1#3.1
Board_0-Net-(U1-SW): L1.1 U1#3.4
Board_0-Net-(U3-DM): R9#6.2 U3#5.14
Board_0-Net-(U3-DP): R10#3.2 U3#5.13
Board_0-Net-(U3-RBIAS): R7#4.2 U3#5.19
Board_0-Net-(U3-VBUS): R8#4.1 U3#5.17
Board_0-Net-(Y1-OUT): R108#5.2 Y1#2.3
Board_0-unconnected-(IC1D-PR5C-PadE14): IC1#4.E14
Board_0-unconnected-(IC1D-PR5D-PadF14): IC1#4.F14
Board_0-unconnected-(IC1D-PR8B-PadE15): IC1#4.E15
Board_0-unconnected-(IC1D-PR11A-PadG12): IC1#4.G12
Board_0-unconnected-(IC1D-PR11B-PadG13): IC1#4.G13
Board_0-unconnected-(IC1D-PR11C-PadF15): IC1#4.F15
Board_0-unconnected-(IC1D-PR11D-PadE16): IC1#4.E16
Board_0-unconnected-(IC1D-PR14A-PadF16): IC1#4.F16
Board_0-unconnected-(IC1D-PR14B-PadG15): IC1#4.G15
Board_0-unconnected-(IC1D-PR14C-PadG14): IC1#4.G14
Board_0-unconnected-(IC1D-PR14D-PadH14): IC1#4.H14
Board_0-unconnected-(IC1D-PR17A-PadH12): IC1#4.H12
Board_0-unconnected-(IC1D-PR17B-PadH13): IC1#4.H13
Board_0-unconnected-(IC1D-PR17C-PadJ13): IC1#4.J13
Board_0-unconnected-(IC1D-PR20A-PadG16): IC1#4.G16
Board_0-unconnected-(IC1D-PR20B-PadH15): IC1#4.H15
Board_0-unconnected-(IC1D-PR20C-PadJ14): IC1#4.J14
Board_0-unconnected-(IC1D-PR20D-PadK14): IC1#4.K14
Board_0-unconnected-(IC1D-PR23A-PadJ16): IC1#4.J16
Board_0-unconnected-(IC1D-PR23B-PadJ15): IC1#4.J15
Board_0-unconnected-(IC1D-PR23C-PadK16): IC1#4.K16
Board_0-unconnected-(IC1D-PR23D-PadK15): IC1#4.K15
Board_0-unconnected-(IC1E-PR26A-PadL16): IC1#4.L16
Board_0-unconnected-(IC1E-PR26B-PadL15): IC1#4.L15
Board_0-unconnected-(IC1E-PR26C-PadM16): IC1#4.M16
Board_0-unconnected-(IC1E-PR26D-PadM15): IC1#4.M15
Board_0-unconnected-(IC1E-PR29A-PadK13): IC1#4.K13
Board_0-unconnected-(IC1E-PR29C-PadL13): IC1#4.L13
Board_0-unconnected-(IC1E-PR32A-PadN16): IC1#4.N16
Board_0-unconnected-(IC1E-PR32B-PadP15): IC1#4.P15
Board_0-unconnected-(IC1E-PR32C-PadL14): IC1#4.L14
Board_0-unconnected-(IC1E-PR32D-PadM14): IC1#4.M14
Board_0-unconnected-(IC1E-PR35A-PadP16): IC1#4.P16
Board_0-unconnected-(IC1E-PR35B-PadR16): IC1#4.R16
Board_0-unconnected-(IC1E-PR35D-PadN14): IC1#4.N14
Board_0-unconnected-(IC1E-PR38B-PadP14): IC1#4.P14
Board_0-unconnected-(IC1E-PR38C-PadR15): IC1#4.R15
Board_0-unconnected-(IC1E-PR41B-PadR14): IC1#4.R14
Board_0-unconnected-(IC1E-PR41C-PadR13): IC1#4.R13
Board_0-unconnected-(IC1E-PR44A-PadR12): IC1#4.R12
Board_0-unconnected-(IC1F-PL29A-PadK4): IC1#4.K4
Board_0-unconnected-(IC1F-PL29B-PadK5): IC1#4.K5
Board_0-unconnected-(IC1F-PL35B-PadR1): IC1#4.R1
Board_0-unconnected-(IC1F-PL35D-PadN3): IC1#4.N3
Board_0-unconnected-(IC1F-PL38A-PadN4): IC1#4.N4
Board_0-unconnected-(IC1F-PL38B-PadP3): IC1#4.P3
Board_0-unconnected-(IC1F-PL41B-PadR3): IC1#4.R3
Board_0-unconnected-(IC1F-PL41C-PadR4): IC1#4.R4
Board_0-unconnected-(IC1F-PL44B-PadT4): IC1#4.T4
Board_0-unconnected-(IC1G-PL14A-PadF1): IC1#4.F1
Board_0-unconnected-(IC1G-PL20A-PadG1): IC1#4.G1
Board_0-unconnected-(IC1H-CS1N/PB13B-PadP8): IC1#4.P8
Board_0-unconnected-(IC1H-D4/PICO2/PB6B-PadP7): IC1#4.P7
Board_0-unconnected-(IC1H-D5/POCI2/PB6A-PadR7): IC1#4.R7
Board_0-unconnected-(IC1H-D7/PB4A-PadT6): IC1#4.T6
Board_0-unconnected-(IC1H-DONE-PadP9): IC1#4.P9
Board_0-unconnected-(IC1H-DOUT/CSON/PB15B-PadM8): IC1#4.M8
Board_0-unconnected-(IC1H-INITN-PadT9): IC1#4.T9
Board_0-unconnected-(IC1H-SN/CSN/PB13A-PadR8): IC1#4.R8
Board_0-unconnected-(IC1H-WRITEEN/PB18A-PadM9): IC1#4.M9
Board_0-unconnected-(J1-3.3V_EN-Pad4): J1#3.4
Board_0-unconnected-(J1-BATT_VIN/3-Pad49): J1#3.49
Board_0-unconnected-(J1-RTC_3V-Pad72): J1#3.72
Board_0-unconnected-(U1-NC-Pad6): U1#3.6
Board_0-unconnected-(U3-XO-Pad20): U3#5.20
Board_0-unconnected-(U10-RFU-PadA2): U10#6.A2
Board_0-unconnected-(U10-RFU-PadA5): U10#6.A5
Board_0-unconnected-(U10-RFU-PadC2): U10#6.C2
Board_0-unconnected-(U10-RFU/PSC-PadB5): U10#6.B5
Board_0-unconnected-(U10-RFU/~{PSC}-PadC5): U10#6.C5
Board_0-USB0_DM: J1#3.5 R9#6.1
Board_0-USB0_DP: J1#3.3 R10#3.1
Board_0-USB0_ID: J1#3.16 U3#5.18
Board_0-USB0_VBUS: C37#2.1 J1#3.9 R8#4.2
Board_0-VCCRAM: C5.1 C19#5.1 C21#3.1 C31#3.1 C32#6.1 C65#6.1 C82.1 C83#6.1 IC1#4.F5 IC1#4.G5 IC1#4.H4 IC1#4.H5 IC1#4.H6 IC1#4.H7 IC1#4.J1 IC1#4.J2 IC1#4.J3 IC1#4.J4 IC1#4.J5 IC1#4.J6 IC1#4.J7 IC1#4.L4 IC1#4.M4 IC1#4.M5 IC1#4.M6 IC1#4.N5 IC1#4.P4 IC1#4.R5 R16#5.1 U3#5.2 U3#5.9 U4#3.1 U10#6.B4 U10#6.D1 U10#6.E4
Board_1-+1V1: C1.1 C3#5.1 C7#2.1 C9#2.1 C11#3.1 C13.1 C15#6.1 C17#5.1 C25#5.2 C28#3.2 C29#4.2 IC1.G6 IC1.G7 IC1.G9 IC1.L8 IC1.L9 IC1.L10 L1#6.2 R2#6.2
Board_1-+2V5: C22#6.1 C24#5.1 C26#4.1 C27#4.1 IC1.G11 IC1.L7 U2#3.1
Board_1-+3V3: C2#5.1 C4#6.1 C6#4.2 C8#3.1 C10#2.1 C12#4.1 C14.1 C16#5.1 C18#6.1 C20#3.1 C23#6.1 C33#5.1 C35#4.1 C79#6.1 C80#5.1 C81#3.1 IC1.D10 IC1.E6 IC1.E7 IC1.E10 IC1.E11 IC1.F6 IC1.F7 IC1.F10 IC1.F11 IC1.F12 IC1.H11 IC1.J11 IC1.J12 IC1.K11 IC1.K12 IC1.L6 IC1.L11 IC1.L12 IC1.M11 IC1.N13 IC1.P11 IC1.P12 IC1.P13 IC1.R6 J1.2 J1.74 R1#2.2 R6#5.1 R11#2.2 R13#6.2 R15#2.2 R16#4.2 R109#6.1 R110#2.1 U1#6.3 U2#3.4 U3.16 U4#6.4 U7#3.8 Y1.1 Y1.4
Board_1-/bank0_1/CLOCK_48MHZ: IC1.A8 R108#2.1
Board_1-/bank2_3/~{FPGA_SELF_PROGRAM}: IC1.T13 R5.2
Board_1-/bank6_7/RAM.CK: IC1.C3 U10#5.B2
Board_1-/bank6_7/RAM.DQ0: IC1.F2 U10#5.D3
Board_1-/bank6_7/RAM.DQ1: IC1.B1 U10#5.D2
Board_1-/bank6_7/RAM.DQ2: IC1.C2 U10#5.C4
Board_1-/bank6_7/RAM.DQ3: IC1.E1 U10#5.D4
Board_1-/bank6_7/RAM.DQ4: IC1.E3 U10#5.D5
Board_1-/bank6_7/RAM.DQ5: IC1.E2 U10#5.E3
Board_1-/bank6_7/RAM.DQ6: IC1.F3 U10#5.E2
Board_1-/bank6_7/RAM.DQ7: IC1.G4 U10#5.E1
Board_1-/bank6_7/RAM.RWDS: IC1.D1 U10#5.C3
Board_1-/bank6_7/RAM.~{CK}: IC1.D3 U10#5.B1
Board_1-/bank6_7/RAM.~{CS}: IC1.B2 U10#5.A3
Board_1-/bank6_7/RAM.~{RESET}: IC1.C1 U10#5.A4
Board_1-/bank6_7/USB0.DATA0: IC1.N1 U3.4
Board_1-/bank6_7/USB0.DATA1: IC1.M2 U3.5
Board_1-/bank6_7/USB0.DATA2: IC1.M1 U3.6
Board_1-/bank6_7/USB0.DATA3: IC1.L2 U3.7
Board_1-/bank6_7/USB0.DATA4: IC1.L1 U3.8
Board_1-/bank6_7/USB0.DATA5: IC1.K2 U3.10
Board_1-/bank6_7/USB0.DATA6: IC1.K1 U3.11
Board_1-/bank6_7/USB0.DATA7: IC1.K3 U3.12
Board_1-/bank6_7/USB0.DIR: IC1.P2 U3.1
Board_1-/bank6_7/USB0.NXT: IC1.P1 U3.3
Board_1-/bank6_7/USB0.REFCLK: IC1.T3 U3.21
Board_1-/bank6_7/USB0.STP: IC1.R2 U3.24
Board_1-/bank6_7/USB0.~{RESET}: IC1.T2 U3.22
Board_1-/bank8_configuration/D0: IC1.T8 U7#3.5
Board_1-/bank8_configuration/D1: IC1.T7 U7#3.2
Board_1-/bank8_configuration/D2: IC1.M7 U7#3.3
Board_1-/bank8_configuration/D3: IC1.N7 U7#3.7
Board_1-/bank8_configuration/FPGA_CFG0: IC1.N10 R12#5.1
Board_1-/bank8_configuration/FPGA_CFG1: IC1.P10 R13#6.1
Board_1-/bank8_configuration/FPGA_CFG2: IC1.R10 R14#6.1
Board_1-/bank8_configuration/FPGA_CONFIG.~{PROGRAM}: IC1.R9 R5.1 R6#5.2
Board_1-/bank8_configuration/FPGA_FLASH_CLK: IC1.N9 R109#6.2 U7#3.6
Board_1-/bank8_configuration/~{CS_DI}: IC1.N8 R110#2.2 U7#3.1
Board_1-/usb/ULPI_1V8: C34#6.1 U3.23
Board_1-/usb/ULPI_3V3: C36#5.1 U3.15
Board_1-ECP5_A2: IC1.A2 J1.13
Board_1-ECP5_A3: IC1.A3 J1.11
Board_1-ECP5_A4: IC1.A4 J1.19
Board_1-ECP5_A5: IC1.A5 J1.37
Board_1-ECP5_A6: IC1.A6 J1.43
Board_1-ECP5_A7: IC1.A7 J1.51
Board_1-ECP5_A9: IC1.A9 J1.55
Board_1-ECP5_A10: IC1.A10 J1.59
